# Altium PCB Arduino nano.PcbDoc
Units mil, origin at the board's own origin, x right, y up, seen from the top; angles counter-clockwise.
Board outline 700 x 1700 mil, 2 copper layers (Top Layer, Bottom Layer); 29 components, 40 nets, 149 pads, 42 vias.
Unrouted connection lines stored in the file: 2.
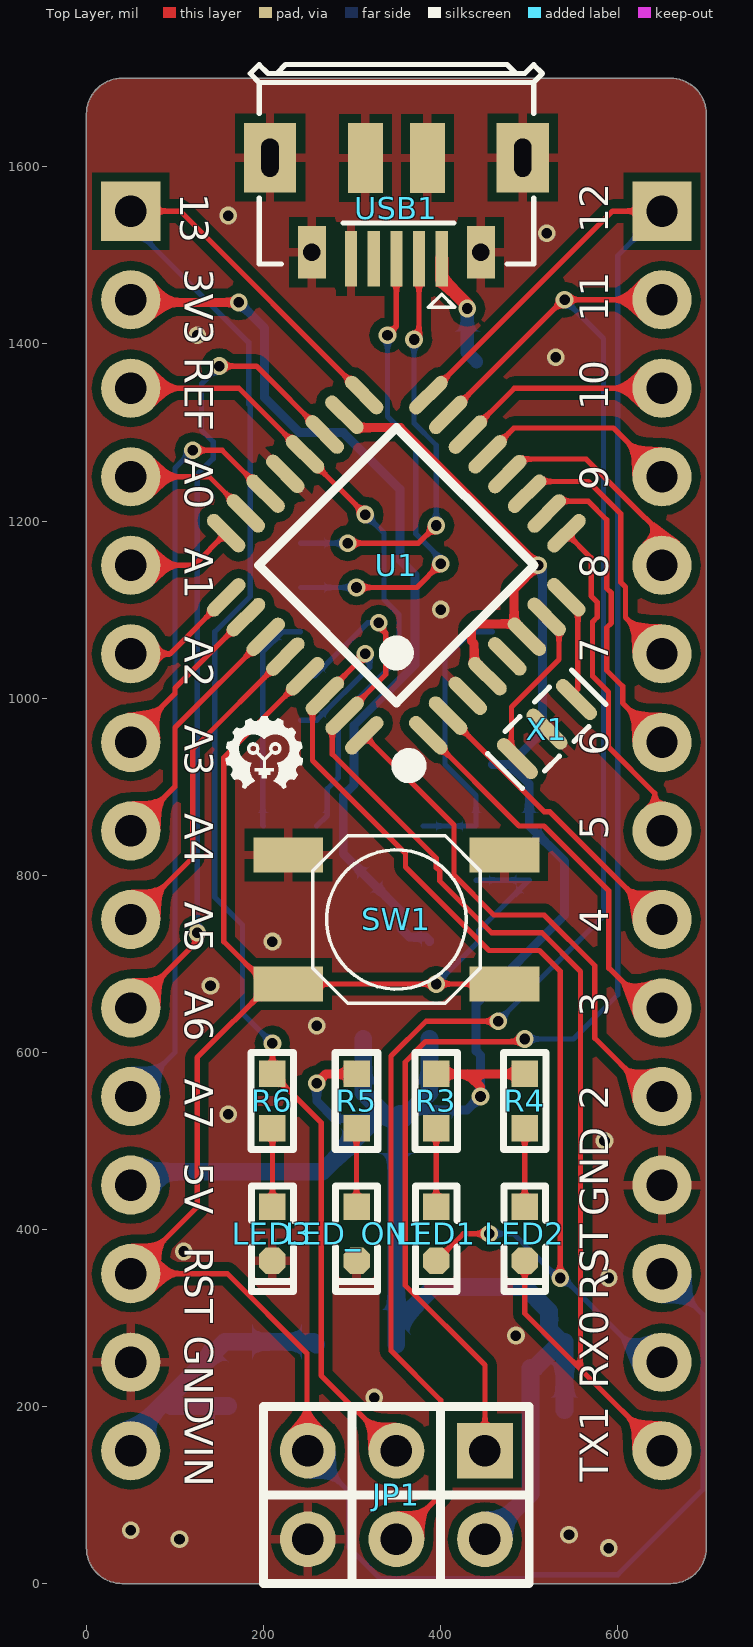
[diagram p0: Top Layer view]
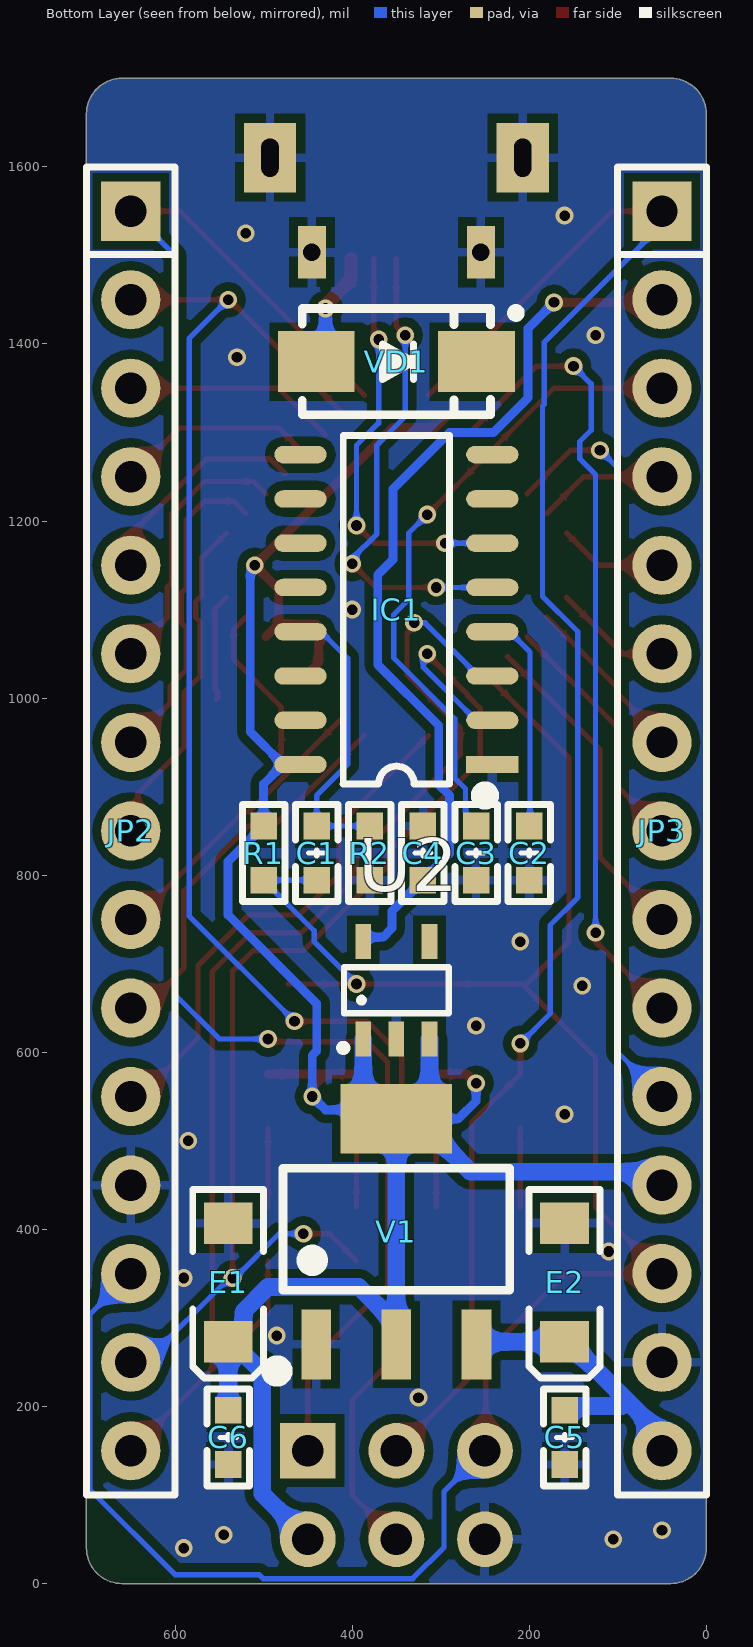
[diagram p1: Bottom Layer view, seen from below]

## Layer stack, top to bottom
Top Solder: solder mask 0.4, Solder Resist, Dk 3.5
Top Layer: signal copper 1.4
Dielectric 1: dielectric 12.6, FR-4, Dk 4.8
Bottom Layer: signal copper 1.4
Bottom Solder: solder mask 0.4, Solder Resist, Dk 3.5

## Board outline
0,40 0,1660 cw(c40,1660) 40,1700 660,1700 cw(c660,1660) 700,1660 700,40 cw(c660,40) 660,0 40,0 cw(c40,40)

## Design rules (kind name [scope] priority, off if disabled: settings)
Clearance [All] p1: gap=10 ignorepadtopadclearanceinfootprint=FALSE except(0: Arc-Hole Track-Hole SMDPad-Hole THPad-Hole Via-Hole Fill-Hole Poly-Hole Region-Hole Text-Hole)
PlaneConnect [All] p1: pad.planeconnectstyle=Relief pad.reliefexpansion=20 pad.reliefentries=4 pad.reliefconductorwidth=10 pad.reliefairgap=10 via.planeconnectstyle=Direct via.reliefexpansion=20 via.reliefentries=4 via.reliefconductorwidth=10 via.reliefairgap=10
PolygonConnect [All] p1: thpad.connectstyle=Relief thpad.reliefconductorwidth=10 thpad.reliefentries=4 thpad.polygonreliefangle="90 Angle" thpad.airgapwidth=10 smdpad.connectstyle=Relief smdpad.reliefconductorwidth=10 smdpad.reliefentries=4 smdpad.polygonreliefangle="90 Angle" smdpad.airgapwidth=10 via.connectstyle=Direct via.reliefconductorwidth=10 via.reliefentries=4 via.polygonreliefangle="90 Angle" via.airgapwidth=10
RoutingVias [All] p1: holewidth=12 width=20 viastyle="Through Hole" minholewidth=12 minwidth=20 maxholewidth=28 maxwidth=50
SolderMaskExpansion [All] p1: expansion=4
Width [All] p1: maxlimit=100 minlimit=6 preferedwidth=10
29 further rules are at their usual default settings.

## Components (designator, comment, footprint, x,y, rotation, side; value= is the part's Value field where it differs from the comment)
C1 "104" "C 0603_L" 440,825 r270 bottom
C2 "104" "C 0603_L" 200,825 r90 bottom
C3 "104" "C 0603_L" 260,825 r270 bottom
C4 "104" "C 0603_L" 320,825 r270 bottom
C5 "104" "C 0603_L" 160,165 r90 bottom
C6 "104" "C 0603_L" 540,165 r90 bottom
E1 "47uF/25V" "CD A(3216)" 540,340 r90 bottom
E2 "47uF/25V" "CD A(3216)" 160,340 r90 bottom
IC1 "CH340C" SOP16_L 350,1100 r0 bottom
JP1 "Header3X2" HDR2.54-LI-2x3P 350,100 r180 top
JP2 "HDR-1X15" HDR2.54-LI-15P 650,850 r270 bottom locked
JP3 "HDR-1X15" HDR2.54-LI-15P 50,850 r270 bottom locked
LED1 "绿色" "LED 0603B" 395,395 r270 top
LED2 "绿色" "LED 0603B" 495,395 r270 top
LED3 "黄色" "LED 0603B" 210,395 r270 top
LED_ON1 "绿色" "LED 0603B" 305,395 r270 top
R1 "10K" "R 0603_L" 500,825 r270 bottom
R2 "10K" "R 0603_L" 380,825 r90 bottom
R3 "1K" "R 0603_L" 395,545 r90 top
R4 "1K" "R 0603_L" 495,545 r90 top
R5 "1K" "R 0603_L" 305,545 r90 top
R6 "1K" "R 0603_L" 210,545 r90 top
SW1 "4x4x1.5" TS4x4x1.5 350,750 r0 top
U1 "ATMEGA328P-AU" "LQFP32 7X7_L" 350,1150 r45 top
U2 "LP2985-33DBVR" SOT23-5L 350,670 r180 bottom
USB1 "USB-5P" USB-MICRO_A 350,1610.4 r180 top
V1 "AMS1117-5V" SOT223_N 350,400 r180 bottom
VD1 "SS14" SMA 350,1380 r180 bottom
X1 "16M" OSC-3.2-1.3-3P 520,965 r45 top

## Footprints (in the part's own frame and the unit in brackets; to place one, negate y for a bottom-side part, rotate by r counter-clockwise, add the part's x,y. Pads: shape width x height; smd on the part's side, far side on the other; paste and mask are expansions set on the pad)
"C 0603_L" [mil] "无极性贴片电容"
  rect 30x30 smd: 1(-30.59,0) 2(30.59,0)
  silkscreen extent -55,-24 55,24, body extent -31,-16 31,16, height 32
"CD A(3216)" [mm] "长3.2mm，宽1.6mm，厚1.6mm"
  rect 1.2x1.4 smd: 1(-1.7,0) 2(1.7,0)
  silkscreen extent -2.74,-1.02 2.67,1.02, body extent -1.6,-0.8 1.6,0.8, height 1.6
HDR2.54-LI-2x3P [mm] "双排排针，3x2脚"
  rect 1.6x1.6 hole 0.9: 1(-2.54,-1.27)
  round 1.6 hole 0.9: 2(-2.54,1.27) 3(0,-1.27) 4(0,1.27) 5(2.54,-1.27) 6(2.54,1.27)
  silkscreen extent -3.81,-2.54 3.81,2.54, body extent -3.81,-2.54 3.81,2.54, height 8.5
HDR2.54-LI-15P [mm] "排针，15脚"
  rect 1.7x1.7 hole 0.9: 1(-17.78,0)
  round 1.7 hole 0.9: 2(-15.24,0) 3(-12.7,0) 4(-10.16,0) 5(-7.62,0) 6(-5.08,0) 7(-2.54,0) 8(0,0) 9(2.54,0) 10(5.08,0) 11(7.62,0) 12(10.16,0) 13(12.7,0) 14(15.24,0) 15(17.78,0)
  silkscreen extent -19.05,-1.27 19.05,1.27, body extent -19.05,-1.27 19.05,1.27, height 8.5
"LED 0603B" [mil] "蓝色0603LED"
  rect 30x30 smd: 1(-30.59,0)
  oct 30x30 smd: 2(30.59,0)
  silkscreen extent -54,-24 65,24, body extent -31,-16 32,16, height 24
"LQFP32 7X7_L" [mm] "32脚，体宽7x7mm，脚距0.8mm"
  oval 0.4x1.4 smd: 1(-2.8,-4.096) 2(-2,-4.096) 3(-1.2,-4.096) 4(-0.4,-4.096) 5(0.4,-4.096) 6(1.2,-4.096) 7(2,-4.096) 8(2.8,-4.096) 17(2.8,4.108) 18(2,4.108) 19(1.2,4.108) 20(0.4,4.108) 21(-0.4,4.108) 22(-1.2,4.108) 23(-2,4.108) 24(-2.8,4.108)
  oval 1.4x0.4 smd: 9(4.102,-2.8) 10(4.102,-2) 11(4.102,-1.2) 12(4.102,-0.4) 13(4.102,0.4) 14(4.102,1.2) 15(4.102,2) 16(4.102,2.8) 25(-4.102,2.8) 26(-4.102,2) 27(-4.102,1.2) 28(-4.102,0.4) 29(-4.102,-0.4) 30(-4.102,-1.2) 31(-4.102,-2) 32(-4.102,-2.8)
  silkscreen extent -4.06,-4.57 2.79,2.79, body extent -4.5,-4.5 4.5,4.5, height 1.45
OSC-3.2-1.3-3P [mm]
  oval 0.4x1.5 smd: 1(-1.2,0) 2(0,0) 3(1.2,0)
  silkscreen extent -1.7,-0.8 1.7,0.8, body extent -1.6,-0.65 1.6,0.65, height 0.5
"R 0603_L" [mil] "1/10W贴片电阻"
  rect 30x30 smd: 1(-30.59,0) 2(30.59,0)
  silkscreen extent -55,-24 55,24, body extent -31,-16 31,16, height 16
SMA [mm] "4.5x2.6*2.2mm（长宽高，不包括引脚）"
  rect 2.2x1.75 smd: 1(-2.3,0) 2(2.3,0)
  silkscreen extent -2.7,-1.52 3.56,1.52, body extent -2.52,-1.3 2.57,1.3, height 2.15
SOP16_L [mm] "10.3*6.2*1.8mm（长宽高）"
  rect 1.5x0.5 smd: 1(-2.752,4.445)
  oval 1.5x0.5 smd: 2(-2.752,3.175) 3(-2.752,1.905) 4(-2.752,0.635) 5(-2.752,-0.635) 6(-2.752,-1.905) 7(-2.752,-3.175) 8(-2.752,-4.445) 9(2.752,-4.445) 10(2.752,-3.175) 11(2.752,-1.905) 12(2.752,-0.635) 13(2.752,0.635) 14(2.752,1.905) 15(2.752,3.175) 16(2.752,4.445)
  silkscreen extent -2.69,-5 1.52,5.49, body extent -3,-5 3,5, height 1.9
SOT23-5L [mm] "3x1.6x1.1mm(长宽高)"
  rect 0.45x1 smd: 1(-0.95,-1.4) 2(0,-1.4) 3(0.95,-1.4) 4(0.95,1.4) 5(-0.95,1.4)
  silkscreen extent -1.6,-1.73 1.5,0.66, body extent -1.5,-1.4 1.5,1.4, height 1.15
SOT223_N [mm] "6.4x7x1.6mm(长宽高)"
  rect 0.85x2 smd: 1(-2.3,-3.302) 2(0,-3.302) 3(2.3,-3.302)
  rect 3.2x2 smd: 2(0,3.175)
  silkscreen extent -3.63,-4.26 3.25,1.75, body extent -3.25,-3.51 3.25,3.51, height 1.65
TS4x4x1.5 [mm] "防水轻触开关4x4x1.5"
  rect 2x1 smd: 1(-3.1,1.85) 2(-3.1,-1.85) 3(3.1,-1.85) 4(3.1,1.85)
  silkscreen extent -2.4,-2.4 2.4,2.4, body extent -3.2,-2.6 3.2,2.6, height 1.5
USB-MICRO_A [mm] "micro型USB ，5.7*7.8*2.5mm"
  rect 0.35x1.6 smd: 1(-1.3,2.9) 2(-0.65,2.9) 3(0,2.9) 4(0.65,2.9) 5(1.3,2.9)
  rect 1.5x2 hole 0.5 slot 1.1 at 90 deg: 5(-3.625,0) 5(3.625,0)
  rect 0.8x1.5 hole 0.5: 5(-2.425,2.71) 5(2.425,2.71)
  rect 1x2 smd: 5(-0.889,0.01) 5(0.889,0.01)
  silkscreen extent -4.19,-2.67 4.19,4.3, body extent -4,-2.71 4,2.89, height 2.8

## Part data
C1 C2 C3 C4 C5 C6: library part C, "无极性贴片电容"
E1 E2: library part C-CM, "贴片电解电容"
IC1: library part CH340G, "串口转USB", BOM名称=串口转USB, 学习资源=www.ooocke.com, 版权归属=源创客
JP1: library part "Header 3X2", "3*2P接插件", BOM名称=3*2P接插件, 学习资源=www.ooocke.com, 版权归属=源创客
JP2 JP3: library part "Header 15", "15P接插件", BOM名称=15P接插件, 学习资源=www.ooocke.com, 版权归属=源创客
LED1 LED2 LED3 LED_ON1: library part LED-SMD, "贴片LED", BOM名称=贴片LED, 学习资源=www.ooocke.com, 版权归属=源创客
R1 R2 R3 R4 R5 R6: library part R, "贴片电阻"
SW1: library part TS-030, "防水轻触开关"
U1: library part ATMEGA328P, "AVR单片机", BOM名称=AVR单片机, 学习资源=www.ooocke.com, 版权归属=源创客
U2: library part LP2985-XXDBVR33
USB1: "微型USB母座", BOM名称=微型USB母座, 学习资源=www.ooocke.com, 版权归属=源创客
V1: library part AMS1117, "三端稳压芯片", BOM名称=稳压芯片, 学习资源=www.ooocke.com, 版权归属=源创客
VD1: "肖特基二极管"
X1: library part XTAL-3, "3脚晶振", BOM名称=4脚晶振, 学习资源=www.ooocke.com, 版权归属=源创客

## Via types
v1: diameter 20, hole 12, Top Layer to Bottom Layer, 42 vias

## Nets (pads, with @x,y where several pads share a name; then routed paths per layer and width w, separated by ;. In a path a pad name is that pad's centre, name@x,y a point inside that pad or via, vN(x,y) a via of type N, cw(c..) or ccw(c..) an arc to the next point about the centre after c; other vN are vias at no path point)
3V3: C4.2 JP3.2 U2.5 | length 1041.2
  Top Layer w10: JP3.2 53.09,1446.91 v1(171.91,1446.91)
  Bottom Layer w10: v1(171.91,1446.91) 201.14,1417.68 201.14,1339.34 240.64,1299.84 290.16,1299.84 354,1236 354,1156.36 371,1139.36 371,1037.92 302.18,969.1 302.18,902.32 290,890.14 290,824.41 C4.2 355,759.41 355,740 365,730 383.54,730 387.4,726.14 U2.5
5V: VD1.2
A0: JP3.4 U1.23 | length 147.1
  Top Layer w6: JP3.4 138.64,1250 U1.23
A1: JP3.5 U1.24 | length 122.8
  Top Layer w6: JP3.5 121.3,1150 U1.24
A2: JP3.6 U1.25 | length 134.3
  Top Layer w6: JP3.6 94.1,1050 U1.25
A3: JP3.7 U1.26 | length 195.4
  Top Layer w6: JP3.7 50,955 100,1005 100,1011.36 U1.26
A4: JP3.8 U1.27 | length 282.4
  Top Layer w6: JP3.8 100,900 100,966.81 U1.27
A5: JP3.9 U1.28 | length 369.3
  Top Layer w6: JP3.9 120,820 120,942.27 U1.28
A6: JP3.10 U1.19 | length 928.2
  Top Layer w6: JP3.10 125,725 v1(125,735) ; v1(150,1375) 191.81,1375 U1.19
  Bottom Layer w6: v1(125,735) 125,1252.47 143,1270.47 143,1289.53 130,1302.53 130,1355 v1(150,1375)
A7: JP3.11 U1.22 | length 861.6
  Top Layer w6: v1(120,1280) 153.19,1280 U1.22
  Bottom Layer w6: JP3.11 100,600 100,1260 v1(120,1280)
AREF: C3.1 JP3.3 U1.20 | length 730.1
  Top Layer w6: JP3.3 172.27,1350 U1.20 v1(315,1207.27)
  Bottom Layer w6: C3.1 272,867.59 272,897.59 284.18,909.77 284.18,976.55 353,1045.37 353,1094.53 336,1111.53 336,1186.27 v1(315,1207.27)
D0: IC1.2 JP2.14 LED1.2 U1.30 | length 1326.9
  Top Layer w6: v1(315,1050) 315,1049.09 269.22,1003.32 U1.30 255.3,988.49 255.3,929.7 360.37,824.63 360.37,809.37 454.75,715 511.65,715 535,691.65 v1(535,345) ; LED1.2 425.59,395 v1(455,395)
  Bottom Layer w6: IC1.2 260,975 320,1035 320,1045 v1(315,1050) ; v1(455,395) 482.36,395 532.36,345 v1(535,345) 538.79,345 633.79,250 JP2.14
D1: IC1.3 JP2.15 LED2.2 U1.31 | length 1412.6
  Top Layer w6: v1(330,1085) 330,1081.21 338,1073.21 338,1026.64 U1.31 277.57,966.22 277.57,936.7 395,819.27 395,808.51 399,804.51 399,793.37 457.37,735 514.28,735 558,691.28 558,242 ; LED2.2 495,305 558,242 ; JP2.15 558,242
  Bottom Layer w6: IC1.3 257.47,1025 317.47,1085 v1(330,1085)
D2: JP2.11 U1.32 | length 586.3
  Top Layer w6: U1.32 415,856.63 415,800 460,755 516.91,755 574,697.91 574,616 631.82,558.18 641.82,558.18 JP2.11
D3: JP2.10 U1.1 | length 442.7
  Top Layer w6: U1.1 488.58,855.52 516.8,855.52 590,782.32 590,695 635,650 JP2.10
D4: JP2.9 U1.2 | length 337.1
  Top Layer w6: U1.2@408.36,980.31 517.15,871.52 523.43,871.52 644.95,750 JP2.9
D5: JP2.8 U1.9 | length 385.2
  Top Layer w6: U1.9 570,1158.37 570,1115.42 576.76,1108.66 576.76,1091.37 571.54,1086.14 571.54,1024.8 589.59,1006.74 589.59,944.7 641.82,892.46 641.82,858.18 JP2.8
D6: JP2.7 U1.10 | length 363.8
  Top Layer w6: U1.10 533.78,1222.43 566.61,1222.43 587.54,1201.5 587.54,1124.13 592.76,1118.9 592.76,1084.74 587.54,1079.52 587.54,1031.43 605.59,1013.37 605.59,994.41 JP2.7
D7: JP2.6 U1.11 | length 304.2
  Top Layer w6: U1.11 511.51,1244.7 566.97,1244.7 603.54,1208.13 603.54,1130.75 608.76,1125.53 608.76,1091.24 JP2.6
D8: JP2.5 U1.12 | length 266.1
  Top Layer w6: U1.12 492.27,1270 564.29,1270 630.75,1203.54 631.46,1203.54 660,1175 650,1175 JP2.5
D9: JP2.4 U1.13 | length 232
  Top Layer w6: U1.13 482.73,1305 595,1305 JP2.4
D10: JP2.3 U1.14 | length 240.9
  Top Layer w6: U1.14 483.19,1350 JP2.3
D11: JP1.4 JP2.2 U1.15 | length 1904.7
  Top Layer w6: JP1.4 400,100 400,207 344,263 344,595.6 383.4,635 v1(465,635) ; U1.15 538.64,1450 v1(540,1450) JP2.2
  Bottom Layer w6: v1(465,635) 584,754 584,1406 v1(540,1450)
D12: JP1.1 JP2.1 U1.16 | length 2003.3
  Top Layer w6: U1.16 594.1,1550 JP2.1 ; JP1.1 450,246.75 360,336.75 360,588.98 383.02,612 492,612 v1(495,615)
  Bottom Layer w6: v1(495,615) 550,615 600,665 600,1500 JP2.1
D13: JP1.3 JP3.1 R6.2 U1.17 | length 1907
  Top Layer w6: JP3.1 105.9,1550 U1.17 ; v1(210,610) R6.2 265,520.59 265,235 JP1.3
  Bottom Layer w6: JP3.1 50,1535 183.14,1401.86 183.14,1331.88 185,1330.02 185,1115 145,1075 145,775 176.16,743.84 176.16,643.84 v1(210,610)
D+: IC1.5 USB1.3 | length 542.8
  Top Layer w6: v1(305,1125) 373.15,1125 v1(400,1151.85) ; v1(340,1410) 350,1420 USB1.3
  Bottom Layer w6: IC1.5 v1(305,1125) ; v1(340,1410) 340,1317.98 372,1285.98 372,1185.47 400,1157.47 v1(400,1151.85)
D-: IC1.6 USB1.2 | length 475.5
  Top Layer w6: v1(295,1175) 375,1175 v1(395,1195) ; v1(370,1405) 375.59,1410.59 USB1.2
  Bottom Layer w6: IC1.6 v1(295,1175) ; v1(370,1405) 370,1310.61 395,1285.61 v1(395,1195)
DTR: C1.1 IC1.13 R2.2 | length 329.7
  Bottom Layer w6: R2.2 C1.1 440,890 405,925 405,1045 435,1075 IC1.13
GND: C2.1 C3.2 C4.1 C5.1 C6.1 E1.2 E2.2 IC1.1 JP1.6 JP2.12 JP3.14 LED3.2 LED_ON1.2 R2.1 SW1.1 SW1.4 U1.3 U1.5 U1.21 U2.2 USB1.5 V1.1 X1.2
  other v1: 590,40 105,50 545,55 50,60 325,210 485,280 590,345 110,375 585,500 160,530 260,630 140,675 210,725 400,1100 530,1385 125,1410 520,1525 160,1545
MCU_RESET: C1.2 JP1.5 JP2.13 JP3.13 R1.2 SW1.2 SW1.3 U1.29 | length 2482.6
  Top Layer w6: U1.29 155,932.73 155,725 202.83,677.17 SW1.2@208.27,677.17 ; JP1.5 249,151 249,260 159,350 JP3.13 125,425 125,593.9 SW1.2@208.27,677.17 ; SW1.3 v1(395,677.17) SW1.2 SW1.2@208.27,677.17
  Bottom Layer w6: JP1.5 296.24,103.76 296.24,40.84 331.57,5.5 500.5,5.5 505,10 600,10 696.46,106.46 696.46,303.54 JP2.13 ; v1(395,677.17) 442.84,725 442.84,737.25 R1.2 C1.2
NetC2_2: C2.2 IC1.4 | length 248.9
  Bottom Layer w6: C2.2 199.13,856.46 199.13,1052.16 221.97,1075 IC1.4
NetLED1_1: LED1.1 R3.1 | length 88.8
  Top Layer w6: LED1.1 R3.1
NetLED2_1: LED2.1 R4.1 | length 88.8
  Top Layer w6: LED2.1 R4.1
NetLED3_1: LED3.1 R6.1 | length 88.8
  Top Layer w6: LED3.1 R6.1
NetLED_ON1_1: LED_ON1.1 R5.1 | length 88.8
  Top Layer w6: LED_ON1.1 R5.1
NetU1_7: U1.7 X1.1 | length 190.8
  Top Layer w6: X1.1 480,938.19 480,990 533.61,1043.61 533.61,1077.74 U1.7
NetU1_8: U1.8 X1.3 | length 123.1
  Top Layer w6: U1.8 555,1100.9 555,1010 551.59,1006.59 551.59,1000.22 X1.3
NetUSB1_1: USB1.1 VD1.1 | length 132.5
  Top Layer w15: USB1.1 401.18,1472.84 430,1444.02 v1(430,1440)
  Bottom Layer w15: v1(430,1440) 430,1390.55 VD1.1
VCC: C6.2 E1.1 IC1.16 JP1.2 JP3.12 R1.1 R3.2 R4.2 R5.2 U1.4 U1.6 U1.18 U2.1 U2.3 V1.2 | length 2977.7
  Top Layer w10: v1(260,565) 270.59,575.59 R5.2 ; U1.18 305.85,1305.51 354.49,1305.51 v1(510,1150) 482.9,1122.9 U1.6@482.9,1083.91 ; R3.2 430,575.59 ; v1(445,550) 445,560.59 430,575.59 ; U1.4 437.86,1039.87 437.86,1061.42 435,1064.28 435,1078.05 440.86,1083.91 U1.6@482.9,1083.91 ; R4.2 430,575.59 ; U1.6 U1.6@482.9,1083.91
  Bottom Layer w10: v1(260,565) 260,545 280,525 326.38,525 341.97,525 351.97,535 368.03,535 430,535 v1(445,550) 445,596.53 440,601.53 440,655 540,755 540,815.59 R1.1 500,903.03 IC1.16@478.03,925 ; IC1.16 IC1.16@478.03,925 ; v1(510,1150) 515,1145 515,961.97 IC1.16@478.03,925
  Bottom Layer w20: JP3.12 65,465 266.38,465 V1.2@326.38,525 ; U2.3 312.6,554.37 341.97,525 V1.2@350,525 ; V1.2@350,270 V1.2@350,292.64 ; U2.1 387.4,554.37 368.03,535 358.03,525 V1.2@350,525 ; JP1.2 501.5,101.5 501.5,243.5 506.5,243.5 E1.1@536.06,273.07 ; C6.2 540,269.13 E1.1@536.06,273.07 ; E1.1 E1.1@536.06,273.07 ; V1.2@350,292.64 V1.2@350,525 ; V1.2@350,292.64 392.36,335 495,335 522.44,307.56 522.44,286.69 E1.1@536.06,273.07
Vin: C5.2 E2.1 JP3.15 V1.3 | length 336.1
  Bottom Layer w20: JP3.15 50,167.01 156.06,273.07 E2.1 256.38,273.07 V1.3 ; 95.59,200.59 C5.2@160,200.59
pads on no net: IC1.7 IC1.8 IC1.9 IC1.10 IC1.11 IC1.12 IC1.14 IC1.15 U2.4 USB1.4

## Polygon pours and split planes (outlines as drawn)
GND on Top Layer "GND_L01_P000" (solid, remove dead copper, pour order 0): 0,40 0,1660 cw(c40,1660) 40,1700 660,1700 cw(c660,1660) 700,1660 700,40 cw(c660,40) 660,0 40,0 cw(c40,40)
GND on Bottom Layer "GND_L02_P001" (solid, remove dead copper, pour order 1): 0,40 0,1660 cw(c40,1660) 40,1700 660,1700 cw(c660,1660) 700,1660 700,40 cw(c660,40) 660,0 40,0 cw(c40,40)

## Silkscreen, mask and mechanical layers (free items; w line width, h text height)
Top Overlay:
  drawing of 1389 lines, arcs and shapes, not listed
  text "13" at 95,1570 h55 r270
  text "12" at 600,1525 h55 r90
  text "3V3" at 100,1485 h55 r270
  text "11" at 600,1425 h55 r90
  text "REF" at 100,1385 h55 r270
  text "10" at 600,1325 h55 r90
  text "A0" at 100,1271.13 h55 r270
  text "9" at 600,1235 h55 r90
  text "A1" at 100,1170 h55 r270
  text "8" at 600,1135 h55 r90
  text "A2" at 100,1070 h55 r270
  text "7" at 600,1040 h55 r90
  text "A3" at 100,970 h55 r270
  text "6" at 600,935 h55 r90
  text "A4" at 100,870 h55 r270
  text "5" at 600,840 h55 r90
  text "A5" at 100,770 h55 r270
  text "4" at 600,735 h55 r90
  text "A6" at 100,670 h55 r270
  text "3" at 600,640 h55 r90
  text "A7" at 100,570 h55 r270
  text "2" at 600,535 h55 r90
  text "5V" at 100,475 h55 r270
  text "GND" at 600,415 h55 r90
  text "RST" at 100,380 h55 r270
  text "RST" at 600,320 h55 r90
  text "GND" at 100,280 h55 r270
  text "RX0" at 600,220 h55 r90
  text "VIN" at 100,185 h55 r270
  text "TX1" at 600,115 h55 r90
Mechanical 1:
  the board outline again, w5.91